# KiCad board trifecta.kicad_pcb (continued)
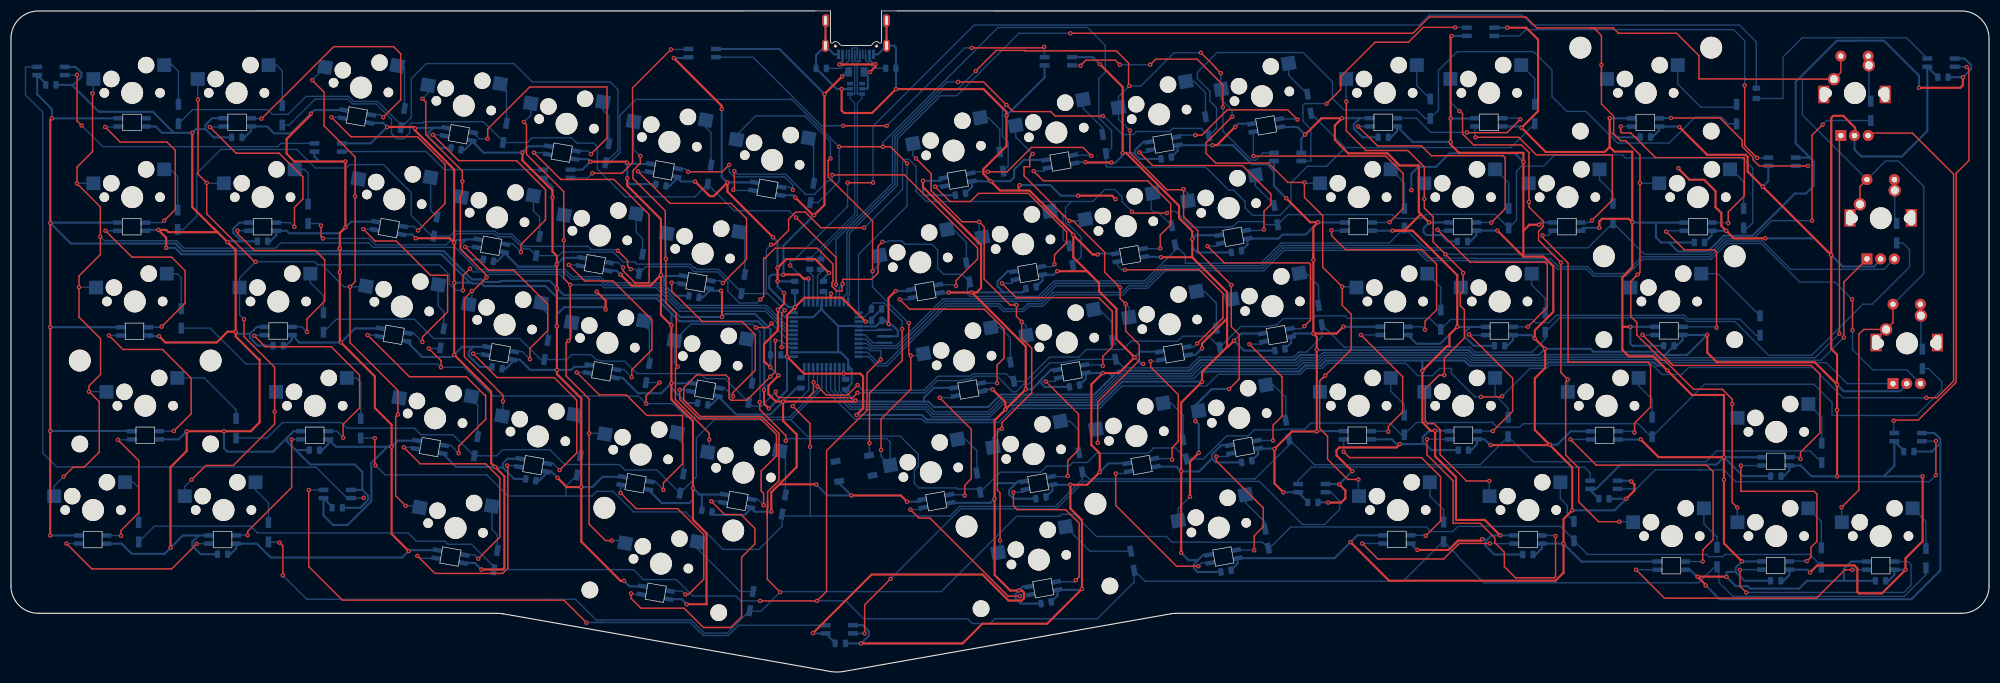
[diagram p0: board, top side]
## Nets (continued)
Net-(D_11-Pad2): D_11.2 K_11.2
Net-(D_12-Pad2): D_12.2 K_12.2
Net-(D_13-Pad2): D_13.2 K_13.2
Net-(D_15-Pad2): D_15.2 K_15.2
Net-(D_17-Pad2): D_17.2 K_17.2
Net-(D_18-Pad2): D_18.2 K_18.2
Net-(D_19-Pad2): D_19.2 K_19.2
Net-(D_20-Pad2): D_20.2 K_20.2
Net-(D_21-Pad2): D_21.2 K_21.2
Net-(D_22-Pad2): D_22.2 K_22.2
Net-(D_23-Pad2): D_23.2 K_23.2
Net-(D_24-Pad2): D_24.2 K_24.2
Net-(D_25-Pad2): D_25.2 K_25.2
Net-(D_26-Pad2): D_26.2 K_26.2
Net-(D_27-Pad2): D_27.2 K_27.2
Net-(D_28-Pad2): D_28.2 K_28.2
Net-(D_29-Pad2): D_29.2 K_29.2
Net-(D_30-Pad2): D_30.2 K_30.2
Net-(D_33-Pad2): D_33.2 K_33.2
Net-(D_34-Pad2): D_34.2 K_34.2
Net-(D_35-Pad2): D_35.2 K_35.2
Net-(D_36-Pad2): D_36.2 K_36.2
Net-(D_37-Pad2): D_37.2 K_37.2
Net-(D_38-Pad2): D_38.2 K_38.2
Net-(D_39-Pad2): D_39.2 K_39.2
Net-(D_40-Pad2): D_40.2 K_40.2
Net-(D_41-Pad2): D_41.2 K_41.2
Net-(D_42-Pad2): D_42.2 K_42.2
Net-(D_43-Pad2): D_43.2 K_43.2
Net-(D_44-Pad2): D_44.2 K_44.2
Net-(D_45-Pad2): D_45.2 K_45.2
Net-(D_47-Pad2): D_47.2 K_47.2
Net-(D_48-Pad2): D_48.2 K_48.2
Net-(D_49-Pad2): D_49.2 K_49.2
Net-(D_50-Pad2): D_50.2 K_50.2
Net-(D_51-Pad2): D_51.2 K_51.2
Net-(D_52-Pad2): D_52.2 K_52.2
Net-(D_53-Pad2): D_53.2 K_53.2
Net-(D_54-Pad2): D_54.2 K_54.2
Net-(D_55-Pad2): D_55.2 K_55.2
Net-(D_56-Pad2): D_56.2 K_56.2
Net-(D_57-Pad2): D_57.2 K_57.2
Net-(D_58-Pad2): D_58.2 K_58.2
Net-(D_59-Pad2): D_59.2 K_59.2
Net-(D_60-Pad2): D_60.2 K_60.2
Net-(D_62-Pad2): D_62.2 K_62.2
Net-(D_63-Pad2): D_63.2 K_63.2
Net-(D_64-Pad2): D_64.2 K_64.2
Net-(D_65-Pad2): D_65.2 K_65.2
Net-(D_66-Pad2): D_66.2 K_66.2
Net-(D_67-Pad2): D_67.2 K_67.2
Net-(D_68-Pad2): D_68.2 K_68.2
Net-(D_69-Pad2): D_69.2 K_69.2
Net-(D_70-Pad2): D_70.2 K_70.2
Net-(D_71-Pad2): D_71.2 K_71.2
Net-(D_72-Pad2): D_72.2 K_72.2
Net-(J1-PadA5): J1.A5 R2.2
Net-(J1-PadA8): J1.A8
Net-(J1-PadB5): J1.B5 R3.2
Net-(J1-PadB8): J1.B8
Net-(LED1-Pad2): LED1.2
Net-(LED1-Pad4): LED1.4 LED17.2
Net-(LED2-Pad4): LED2.4 LED3.2
Net-(LED4-Pad4): LED4.4 LED5.2
Net-(LED6-Pad4): LED6.4 LED7.2
Net-(LED8-Pad4): LED8.4 LED9.2
Net-(LED10-Pad2): LED10.2 LED26.4
Net-(LED10-Pad4): LED10.4 LED11.2
Net-(LED11-Pad4): LED11.4 LED27.2
Net-(LED12-Pad2): LED12.2 LED28.4
Net-(LED12-Pad4): LED12.4 LED13.2
Net-(LED13-Pad4): LED13.4 LED29.2
Net-(LED15-Pad2): LED15.2 LED30.4
Net-(LED15-Pad4): LED15.4 ULED14.2
Net-(LED17-Pad4): LED17.4 LED33.2
Net-(LED18-Pad2): LED18.2 LED34.4
Net-(LED18-Pad4): LED2.2 LED18.4
Net-(LED19-Pad2): LED3.4 LED19.2
Net-(LED19-Pad4): LED19.4 LED35.2
Net-(LED20-Pad2): LED20.2 LED36.4
Net-(LED20-Pad4): LED4.2 LED20.4
Net-(LED21-Pad2): LED5.4 LED21.2
Net-(LED21-Pad4): LED21.4 LED37.2
Net-(LED22-Pad2): LED22.2 LED38.4
Net-(LED22-Pad4): LED6.2 LED22.4
Net-(LED23-Pad2): LED7.4 LED23.2
Net-(LED23-Pad4): LED23.4 LED39.2
Net-(LED24-Pad2): LED24.2 LED40.4
Net-(LED24-Pad4): LED8.2 LED24.4
Net-(LED25-Pad2): LED9.4 LED25.2
Net-(LED25-Pad4): LED25.4 LED41.2
Net-(LED26-Pad2): LED26.2 LED42.4
Net-(LED27-Pad4): LED27.4 LED43.2
Net-(LED28-Pad2): LED28.2 LED44.4
Net-(LED29-Pad4): LED29.4 LED59.2
Net-(LED30-Pad2): LED30.2 LED45.4
Net-(LED33-Pad4): LED33.4 LED47.2
Net-(LED34-Pad2): LED34.2 LED48.4
Net-(LED35-Pad4): LED35.4 LED49.2
Net-(LED36-Pad2): LED36.2 LED50.4
Net-(LED37-Pad4): LED37.4 LED51.2
Net-(LED38-Pad2): LED38.2 LED52.4
Net-(LED39-Pad4): LED39.4 LED53.2
Net-(LED40-Pad2): LED40.2 LED54.4
Net-(LED41-Pad4): LED41.4 LED55.2
Net-(LED42-Pad2): LED42.2 LED56.4
Net-(LED43-Pad4): LED43.4 LED57.2
Net-(LED44-Pad2): LED44.2 LED58.4
Net-(LED45-Pad2): LED45.2 LED60.4
Net-(LED47-Pad4): LED47.4 LED62.2
Net-(LED48-Pad2): LED48.2 LED63.4
Net-(LED49-Pad4): LED49.4 LED64.2
Net-(LED50-Pad2): LED50.2 LED64.4
Net-(LED51-Pad4): LED51.4 LED65.2
Net-(LED52-Pad2): LED52.2 LED65.4
Net-(LED53-Pad4): LED53.4 LED66.2
Net-(LED54-Pad2): LED54.2 LED66.4
Net-(LED55-Pad4): LED55.4 LED67.2
Net-(LED56-Pad2): LED56.2 LED67.4
Net-(LED57-Pad4): LED57.4 LED68.2
Net-(LED58-Pad2): LED58.2 LED69.4
Net-(LED59-Pad4): LED59.4 LED70.2
Net-(LED60-Pad2): LED60.2 LED71.4
Net-(LED62-Pad4): LED62.4 LED63.2
Net-(LED68-Pad4): LED68.4 LED69.2
Net-(LED70-Pad4): LED70.4 LED72.2
Net-(LED71-Pad2): LED71.2 LED72.4
Net-(R1-Pad2): R1.2 SW1.2 U1.13
Net-(R4-Pad1): R4.1 U1.4
Net-(R5-Pad1): R5.1 U1.3
Net-(R6-Pad2): R6.2 U1.33
Net-(R7-Pad1): R7.1 ULED1.4
Net-(U1-Pad16): U1.16 Y1.3
Net-(U1-Pad17): U1.17 Y1.1
Net-(U1-Pad42): U1.42
Net-(U2-Pad3): U2.3
Net-(U2-Pad4): U2.4
Net-(ULED1-Pad2): ULED1.2 ULED2.4
Net-(ULED2-Pad2): ULED2.2 ULED3.4
Net-(ULED3-Pad2): ULED3.2 ULED4.4
Net-(ULED4-Pad2): ULED4.2 ULED5.4
Net-(ULED5-Pad2): ULED5.2 ULED6.4
Net-(ULED6-Pad2): ULED6.2 ULED7.4
Net-(ULED7-Pad2): ULED7.2 ULED8.4
Net-(ULED8-Pad2): ULED8.2 ULED9.4
Net-(ULED10-Pad2): ULED10.2 ULED11.4
Net-(ULED10-Pad4): ULED9.2 ULED10.4
Net-(ULED11-Pad2): ULED11.2 ULED12.4
Net-(ULED12-Pad2): ULED12.2 ULED13.4
Net-(ULED13-Pad2): ULED13.2 ULED14.4

Pads without a net: SW1 3 4

## Via types
v1: diameter 0.8, hole 0.4, Top to Bottom, 500 vias

## Routing (per net, layer and track width the routed paths; a pad name or vN(x,y) marks a point on that pad's centre or on a via; arc(x,y) is an arc through that point)
+5V: length 2371.1
  Top w0.381: v1(111.26,72.59) 113.27,70.57 116.67,70.57 v1(118.62,72.52) ; 112.46,92.97 112.21,93.23 v1(105.73,93.23) ; v1(118.62,72.52) 118.62,82.71 112.46,88.87 v1(112.46,90.19) ; v1(118.62,72.52) 118.56,72.59 ; v1(118.62,72.52) 118.62,65.24 v1(120.53,63.33) v1(120.53,52.78) 120.53,49.79 124.46,45.85 v1(124.46,33.6) 124.46,27.82 126.94,25.34 126.94,12.45 127,12.39 v1(123.32,12.39) ; v1(41.01,62.17) 39.53,62.17 37.57,60.21 28.17,60.21 v1(27.04,61.34) ; v1(41.01,62.17) 41.01,77.06 v1(39.51,78.56) 37.71,80.36 ; v1(41.01,62.17) 41.01,61.31 45.23,57.09 45.38,57.09 45.38,45.61 43.76,43.99 v1(38.88,43.99) v1(32.07,43.99) 32.07,40.38 29.12,37.43 v1(29.12,22.7) ; 37.71,80.36 37.05,81.02 36.99,81.02 33.09,84.92 v1(33.09,98.5) ; 37.71,80.36 28.72,80.36 28.31,80.77 v1(26.89,80.77) 28.32,79.33 v1(28.32,77.48) ; v1(295.88,82.16) 295.23,82.8 290.37,82.8 289.87,82.31 v1(289.87,81.14) ; v1(295.88,82.16) 295.88,73.9 294.07,72.1 294.07,63.06 ; v1(295.88,82.16) 295.88,95.06 292.63,95.06 291.76,95.94 ; v1(151.69,108.8) v1(148.47,105.58) 148.47,85.35 147.32,84.2 147.29,84.2 v1(146.57,83.48) 146.34,83.48 v1(143.13,86.69) ; v1(240.39,30.95) 242.75,30.95 243.53,31.73 243.53,33.17 v1(242.43,34.26) ; v1(171.11,69.33) 175.31,69.33 v1(175.33,69.35) ; v1(312.61,39.25) v1(312.61,35.12) 312.61,23.5 v1(315.91,20.21) ; v1(312.61,39.25) 300.69,39.25 v1(297.43,42.51) ; v1(312.61,39.25) 312.61,50.62 306.77,50.62 v1(302.32,55.07) 299.72,57.67 295.28,57.67 294.07,58.87 294.07,63.06 ; v1(175.33,69.35) 176.22,69.35 177.04,70.18 177.04,77.99 166.44,88.59 v1(166.44,89.73) ; v1(175.33,69.35) 175.35,69.35 185.19,59.5 v1(185.19,51.66) v1(181.49,47.95) ; v1(80.88,78.43) 80.06,79.24 v1(73.88,79.24) ; v1(200.82,93.08) 196.16,93.08 v1(196.1,93.14) ; v1(140.98,72.59) 141,72.6 143.9,72.6 144.63,71.88 v1(145.54,71.88) ; 221.94,64.59 217.36,60.02 v1(217.36,59.13) ; 221.94,64.59 221.94,69.41 215.87,75.48 ; 221.94,64.59 221.94,59.38 ; 294.07,63.06 v1(295.53,63.06) ; 80.89,91.74 v1(80.89,71.12) v1(80.89,57.96) 87.63,51.21 87.63,38.17 v1(88.34,37.47) 90.05,35.76 90.05,19.06 89.73,18.74 v1(85.86,18.74) ; 80.89,91.74 80.79,91.74 ; 80.89,91.74 80.89,91.79 73.73,98.95 v1(73.73,99.31) 73.47,99.56 v1(68.65,99.56) ; 257.3,83.64 254.29,80.63 v1(252.13,80.63) 255.8,80.63 263.95,72.48 v1(263.95,63.05) 262.52,61.62 262.52,59.54 262.08,59.54 v1(257.58,55.04) 257.58,45.63 258.29,44.93 258.29,44.9 259.13,44.07 v1(259.9,44.07) 259.9,39.41 263.71,35.61 263.71,27.89 263.82,27.79 268.97,27.79 v1(271.79,24.96) ; 257.3,83.64 256.94,84.01 256.94,92.53 253.43,92.53 251.2,94.76 244.05,94.76 241.59,97.21 241.59,99.84 v1(242.92,101.17) 239.17,101.17 v1(236.16,98.16) ; 257.3,83.64 v1(258.82,82.12) ; v1(213.55,21.79) v1(213.55,36.65) 213.55,49.22 v1(217.36,53.03) 217.36,54.81 221.94,59.38 ; 215.87,75.48 215.59,75.76 v1(215.59,79.07) 215.59,80.53 213.17,82.94 213.17,85.16 203.52,94.81 v1(202.89,94.81) 202.89,106.86 v1(198.69,111.05) ; 215.87,75.48 215.58,75.77 v1(209.89,75.77) ; 149.6,68.38 149.6,69.05 v1(149.67,69.12) ; 149.6,68.38 144.81,68.38 v1(143.09,66.66) 141.64,65.22 141.64,58.19 141.63,58.18 v1(141.63,57.62) 144.74,54.51 v1(151.99,54.51) 154.98,54.51 155.51,53.99 155.51,48.16 v1(154.31,46.97) ; 149.6,68.38 151.62,68.38 v1(155.98,64.02) ; v1(137.43,51.55) 137.43,49.01 v1(138.31,48.14) ; v1(181.49,47.95) 179.52,45.98 v1(179.52,31.63) 179.52,17.72 182.36,14.88 v1(183.95,14.88) 184.52,14.88 184.88,14.52 184.88,13.47 184.47,13.06 182.06,13.06 177.31,17.81 157.06,17.81 v1(146.36,7.11) ; v1(181.49,47.95) 181.49,49.28 v1(179.13,51.64) ; v1(348.21,106.72) 355.76,106.72 356.22,107.18 v1(356.22,108.65) ; 291.76,95.94 290.83,95 280.09,95 v1(275.66,99.43) 278.69,102.45 278.69,115.54 276.52,117.7 v1(273.08,117.7) ; 291.76,95.94 v1(291.76,101.18) ; 221.94,59.38 222.06,59.38 v1(223.21,60.52) ; v1(244.79,36.7) 241.92,39.57 241.92,40.53 242.43,41.04 252.88,41.04 v1(253.48,41.64) ; v1(309.28,15.83) 309.28,15.94 v1(307.79,17.43) 313.03,17.43 v1(313.08,17.38) ; v1(256.69,22.3) 262.38,22.3 264.08,24 268.2,24 v1(268.47,24.27)
  Bottom w0.25: 72.87,60.73 72.85,60.7
  Bottom w0.381: LED11.1 234.77,99.55 v1(236.16,98.16) 235.48,97.48 ULED12.1 ; 50.43,42.84 47.84,40.25 39.48,40.25 38.88,40.85 v1(38.88,43.99) ; 50.43,42.84 51.59,44 LED48.1 ; 50.43,42.84 50.43,42.08 51.82,40.7 ; 51.82,40.7 54.59,37.93 62.74,37.93 64.12,36.55 64.12,33.28 ; 51.82,40.7 51.97,40.54 C48.1 ; v1(275.66,99.43) 275.42,99.67 LED13.1 ; v1(179.13,51.64) 177.65,51.64 LED39.1 ; 169.56,69.35 LED23.1 171.05,69.27 v1(171.11,69.33) ; v1(149.67,69.12) 149.67,67.6 U1.7 ; 64.12,33.28 ULED6.1 ; 64.12,33.28 65.18,32.21 65.18,31.45 63.75,30.01 C78.1 ; 149.59,67.32 149.59,68.37 149.6,68.38 ; LED15.1 291.8,101.15 v1(291.76,101.18) 291.76,98.81 292.89,97.69 297.18,97.69 ; 77.08,99.42 LED4.1 ; 77.08,99.42 73.83,99.42 v1(73.73,99.31) ; 77.08,99.42 76.19,98.52 76.19,97.76 78.21,95.74 C4.1 ; LED19.1 73.2,79.92 v1(73.88,79.24) ; 11.13,107.25 16.03,102.35 25.88,102.35 29.74,98.5 ; 11.13,107.25 C79.1 ; 11.13,107.25 11.39,107.25 12.85,108.72 12.85,109.48 11.79,110.54 ULED7.1 ; 328.77,93.52 328.31,93.98 ULED14.1 ; 328.77,93.52 325.71,96.58 325.71,107.82 333.22,115.32 336.82,115.32 336.83,115.34 341.82,115.34 348.21,108.95 v1(348.21,106.72) ; 328.77,93.52 329.01,93.28 329.01,88.85 327.57,87.4 325.55,87.4 317.85,79.7 312.58,79.7 309.71,76.83 304.21,76.83 302.57,78.46 302.57,78.47 ; LED56.1 220.85,41.44 219.18,39.76 219.18,39 ; 198.45,48.69 199.02,49.26 ; 199.02,49.26 198.5,48.74 182.28,48.74 v1(181.49,47.95) 179.64,46.1 167.09,46.1 166.23,46.96 156.32,46.96 ; 199.02,49.26 202.81,53.05 217.35,53.05 v1(217.36,53.03) 217.36,54.38 217.89,54.9 235.08,54.9 236.17,55.99 239.05,55.99 239.97,56.91 257.31,56.91 ; 43.63,61.79 41.39,61.79 v1(41.01,62.17) ; 43.63,61.79 43.63,61.03 45.02,59.63 C34.1 ; 43.63,61.79 44.88,63.05 LED34.1 ; 183.44,34.5 183.76,34.82 LED54.1 ; 183.44,34.5 182.16,33.22 182.16,32.46 182.95,31.67 C54.1 ; 183.44,34.5 180.04,34.5 179.52,33.98 v1(179.52,31.63) 178.8,30.91 LED53.1 ; 300.2,82.1 295.94,82.1 v1(295.88,82.16) ; 300.2,82.1 LED30.1 ; 300.2,82.1 300.2,79.41 301.15,78.47 302.57,78.47 ; LED65.1 122.4,13.31 v1(123.32,12.39) ; 42.13,78.68 40.58,80.24 40.58,80.99 41.68,82.1 LED18.1 ; 42.13,78.68 39.64,78.68 v1(39.51,78.56) ; 42.13,78.68 C18.1 ; 312.55,35.06 v1(312.61,35.12) ; 260.53,44.07 262.5,44.07 LED58.1 ; 260.53,44.07 258.81,44.07 257.64,42.89 257.64,42.14 258.14,41.64 ; 260.53,44.07 v1(259.9,44.07) ; C38.1 123.32,49.13 120.53,51.92 v1(120.53,52.78) ; LED51.1 118.76,30.87 123.83,30.87 124.46,31.5 v1(124.46,33.6) 125.64,32.42 126.14,32.42 ; v1(271.79,24.96) 270.18,24.96 269.27,24.05 ; v1(271.79,24.96) LED69.1 ; v1(271.79,24.96) 271.47,24.96 ; C45.1 295.95,59.6 295.53,60.02 v1(295.53,63.06) 295.54,63.07 LED45.1 ; 29.74,98.5 27.55,98.5 26.39,99.65 LED1.1 ; 29.74,98.5 v1(33.09,98.5) 33.77,99.18 35.5,99.18 ; 143.09,57.62 v1(141.63,57.62) ; v1(141.63,57.62) 141.63,51.47 v1(138.31,48.14) ; v1(141.63,57.62) 140.8,57.62 C13.1 ; C20.1 84.01,75.35 82.08,77.29 82.08,78.05 82.97,78.94 ; R1.1 157.04,64.47 C11.1 156.83,64.02 v1(155.98,64.02) 154.49,64.02 ; v1(148.47,105.58) 140.22,113.82 ULED10.1 ; 266.31,63.05 v1(263.95,63.05) 260.87,59.98 256.51,59.98 LED43.1 ; 266.31,63.05 LED44.1 ; 266.31,63.05 265.3,62.04 265.3,61.28 266.99,59.59 C44.1 ; 35.5,99.18 35.5,99.94 36.72,101.16 LED2.1 ; 35.5,99.18 37.01,97.67 C2.1 ; LED50.1 90.62,38.96 89.76,38.11 89.76,37.35 ; 82.97,78.94 81.38,78.94 v1(80.88,78.43) ; 82.97,78.94 83.06,79.03 LED20.1 ; v1(27.04,61.34) 25.19,61.34 LED33.1 25.38,61.16 ; LED49.1 81.24,37.47 v1(88.34,37.47) 88.46,37.35 89.76,37.35 ; v1(309.28,15.83) 311.81,13.3 346.82,13.3 352.1,18.59 352.1,41.81 ; v1(120.53,52.78) 120.56,52.74 LED38.1 ; v1(120.53,52.78) 118.69,50.93 114.43,50.93 111.6,53.76 LED37.1 ; C58.1 259.23,40.55 258.14,41.64 ; 219.18,39 216.83,36.65 v1(213.55,36.65) 212.68,37.52 LED55.1 ; 219.18,39 219.89,38.29 C56.1 ; C66.1 184.27,12.5 183.3,13.47 183.3,14.23 v1(183.95,14.88) 184.7,15.63 LED66.1 ; 352.1,41.81 352.1,42.57 351.01,43.67 ULED2.1 ; 352.1,41.81 350.56,40.27 C74.1 ; C36.1 85.6,55.73 83.54,57.79 83.54,58.55 84.4,59.41 ; 205.14,94.91 205.05,94.81 v1(202.89,94.81) 202.89,94.39 201.45,92.95 200.95,92.95 v1(200.82,93.08) ; 205.14,94.91 205.14,95.32 206.68,96.86 LED10.1 ; 205.14,94.91 205.14,94.56 205.97,93.74 C10.1 ; C12.1 246.67,97.69 ; 246.67,97.69 246.64,97.67 ; 246.67,97.69 245.07,99.29 245.07,100.05 246.19,101.17 ; 137.48,51.55 137.48,62.91 136.31,64.08 121.99,64.08 120.55,65.51 ; 155.53,46.96 156.32,46.96 ; 156.32,46.96 154.31,46.96 v1(154.31,46.97) ; C30.1 302.57,78.47 ; 216.63,20.43 214.91,20.43 v1(213.55,21.79) ; 216.63,20.43 217.61,21.41 LED67.1 ; 216.63,20.43 215.91,19.71 215.91,18.95 216.58,18.28 C67.1 ; v1(146.57,83.48) 140.98,77.89 v1(140.98,72.59) 138.81,72.59 138.37,72.14 138.37,70.18 141.88,66.66 v1(143.09,66.66) ; 257.31,56.91 257.58,56.63 v1(257.58,55.04) 257.57,55.05 257.57,55.99 ; 257.31,56.91 265.24,56.91 266.15,55.99 279.95,55.99 280.53,56.57 299.85,56.57 300.42,55.99 301.4,55.99 v1(302.32,55.07) ; v1(85.86,18.74) 84.68,19.92 LED64.1 ; v1(198.69,111.05) 197.43,112.32 ULED11.1 ; 269.27,24.05 269.04,24.27 v1(268.47,24.27) ; 269.27,24.05 269.09,23.87 269.09,23.11 270.73,21.47 C69.1 ; 94.59,70.5 97.58,70.5 99.82,68.26 117.81,68.26 120.55,65.51 ; 94.59,70.5 95.81,70.5 ; 94.59,70.5 86.37,70.5 85.91,70.96 84.28,70.96 84.12,71.12 83.77,71.12 ; v1(217.36,59.13) 216.14,57.9 LED41.1 ; LED40.1 189.82,55.23 188.43,53.84 ; C50.1 91.83,35.29 89.76,37.35 ; 188.43,53.84 187.68,53.09 187.68,52.99 186.35,51.66 v1(185.19,51.66) ; 188.43,53.84 188.06,53.47 188.06,52.71 188.69,52.09 C40.1 ; C6.1 112.93,89.13 112.46,89.61 v1(112.46,90.19) 112.46,92.97 v1(112.4,93.03) 112.62,92.81 LED6.1 116.64,92.97 ; LED57.1 252,42.51 252.87,41.64 v1(253.48,41.64) 258.14,41.64 ; v1(256.69,22.3) 256.64,22.26 256.64,22.26 LED68.1 ; C63.1 34.61,21.53 33.11,23.03 33.11,23.79 34.27,24.95 ; ULED13.1 270.7,117.7 v1(273.08,117.7) ; LED26.1 216.32,79.8 v1(215.59,79.07) 215.59,77.54 ; LED60.1 312.63,39.23 v1(312.61,39.25) ; LED9.1 194.31,93.14 v1(196.1,93.14) ; 215.59,77.54 216.48,76.65 C26.1 ; 215.59,77.54 215.59,77.48 ; v1(307.79,17.43) 307.74,17.38 307.74,17.38 306.43,18.68 LED70.1 ; v1(111.26,72.59) 110.52,73.32 LED21.1 ; C60.1 316.08,35.79 v1(312.61,39.25) ; ULED9.1 104.28,91.77 v1(105.73,93.23) 105.25,93.7 LED5.1 ; LED35.1 75.06,57.55 80.48,57.55 v1(80.89,57.96) 82.34,59.41 84.4,59.41 ; LED8.1 169.67,89.73 v1(166.44,89.73) 166.44,87.32 166.64,87.11 C8.1 ; v1(32.07,43.99) 30.58,42.5 LED47.1 ; LED29.1 286.98,81.14 v1(289.87,81.14) ; v1(26.89,80.77) 24.7,80.77 LED17.1 ; 143.09,65.62 v1(143.09,66.66) ; v1(143.09,66.66) 143.09,69.45 C16.1 ; C42.1 225.01,58.72 v1(223.21,60.52) 224.53,61.85 LED42.1 ; 314.75,18.29 314.75,19.05 v1(315.91,20.21) LED71.1 ; 314.75,18.29 313.19,18.29 313.08,18.19 v1(313.08,17.38) 314.77,15.69 316.93,15.69 317.38,15.25 326.33,15.25 327.74,16.66 334.58,16.66 ; 314.75,18.29 316.37,16.68 C71.1 ; 34.27,24.95 LED63.1 ; 34.27,24.95 31.37,24.95 v1(29.12,22.7) 28.01,21.59 22.06,21.59 20.2,23.45 LED62.1 ; v1(209.89,75.77) 209.81,75.85 LED25.1 ; C28.1 262.23,78.64 261.05,79.82 258.32,79.82 257.8,80.34 257.8,81.1 v1(258.82,82.12) LED28.1 ; v1(297.43,42.51) 297.4,42.48 LED59.1 ; C22.1 121.19,68.75 119.19,70.75 119.19,71.95 v1(118.62,72.52) 118.78,72.36 LED22.1 ; C77.1 150.42,5.32 ULED5.1 146.41,7.06 v1(146.36,7.11) ; 181.17,69.35 180.06,70.46 180.06,71.38 181.87,73.19 LED24.1 ; 181.17,69.35 184.55,69.35 C24.1 ; 181.17,69.35 v1(175.33,69.35) ; LED27.1 252.12,80.62 v1(252.13,80.63) ; C75.1 288.21,33.21 ULED3.1 289.28,33.45 293.73,37.9 311.27,37.9 v1(312.61,39.25) ; 145.59,67.32 145.59,71.83 v1(145.54,71.88) ; ULED1.1 356.53,112.07 357.71,110.89 357.71,110.13 v1(356.22,108.65) C73.1 ; v1(80.89,71.12) 80.89,71.12 83.77,71.12 ; 120.55,65.51 120.55,63.36 v1(120.53,63.33) ; 290.13,31.68 290.08,31.68 ; 246.19,101.17 v1(242.92,101.17) ; 246.19,101.17 LED12.1 ; LED72.1 335.87,20.19 334.5,18.81 334.5,16.74 334.58,16.66 ; C76.1 240.34,31 v1(240.39,30.95) ; 334.58,16.66 C72.1 ; 84.4,59.41 LED36.1 ; LED3.1 67.9,100.31 v1(68.65,99.56) 65.66,96.57 ULED8.1 ; F1.1 152.53,109.64 v1(151.69,108.8) ; C9.1 151.99,53.84 v1(151.99,54.51) 151.99,55.92 ; v1(143.13,86.69) 142.72,87.1 LED7.1 ; 126.14,32.42 126.08,32.36 C52.1 ; 126.14,32.42 LED52.1 ; ULED4.1 242.35,34.34 v1(242.43,34.26) 242.43,34.35 v1(244.79,36.7) ; 83.77,71.12 78.56,76.33 31.13,76.33 29.98,77.48 v1(28.32,77.48)
GND: length 2406.7
  Top w0.381: v1(304.3,92.04) 304.3,91.95 306.32,89.94 308.99,89.94 311.08,87.84 311.08,84.92 312.14,83.86 312.14,81.5 v1(313.05,80.59) 314.41,79.23 v1(320.18,79.23) ; v1(333.25,35.76) v1(333.25,47.89) v1(333.25,52.52) ; v1(219.28,96.25) 220.07,96.25 v1(223.41,99.59) ; v1(309.57,61.6) 309.57,58.36 311.34,56.59 329.19,56.59 v1(333.25,52.52) ; J1.S1 J1.S1 ; v1(140.08,54.17) 138.22,52.32 138.22,50.8 139.62,49.41 v1(140.91,49.41) ; v1(190.95,73.22) 196.41,73.22 196.79,72.84 ; v1(237.68,61.85) 241.93,61.85 v1(243.16,63.08) ; v1(237.68,61.85) v1(237.68,75.25) 237.68,75.95 ; v1(237.68,61.85) 238.31,61.21 v1(238.31,58.88) v1(238.31,43.95) 233.77,43.95 v1(230.59,40.77) 230.59,34.44 v1(232.19,32.84) ; 60.01,77.37 v1(60.01,73.05) 60.01,60.4 v1(60.21,60.19) 66.4,54 66.4,48.25 69.47,45.18 v1(69.47,41.16) 69.47,25.22 v1(72.58,22.11) ; 60.01,77.37 60.01,77.4 v1(59.99,77.42) ; 60.01,77.37 60.01,80.21 v1(61.03,81.22) v1(61.03,93.26) 51.72,93.26 50.31,94.68 50.31,97.37 54.73,101.79 v1(54.73,102) ; 276.01,75.89 279.7,75.89 281.47,74.12 281.47,65.8 278.1,62.43 v1(278.1,60.93) v1(279.98,59.04) 279.98,55.54 278.1,53.66 278.1,44.22 279.97,42.35 ; 276.01,75.89 v1(271.25,80.65) ; 276.01,75.89 276.01,80.6 ; v1(244.47,23.73) 251.51,16.69 281.88,16.69 283.34,18.15 v1(283.34,23.44) 283.34,27.95 v1(284.93,29.54) 284.93,37.39 279.97,42.35 ; v1(129.56,69.64) 129.76,69.44 v1(129.76,64.87) ; 183.89,87.96 183.89,88.76 v1(184.09,88.96) ; 183.89,87.96 180.51,87.96 v1(178.81,89.66) 177.46,91 177.46,91.86 181.68,96.08 v1(181.68,101.66) 181.68,102.31 177.5,106.49 v1(161.52,106.49) 157.15,102.12 152.04,102.12 151.59,102.57 v1(151.59,106.5) ; 183.89,87.96 185.87,87.96 193.87,79.95 v1(193.87,79.83) ; 196.79,72.84 193.87,75.76 v1(193.87,79.83) ; 196.79,72.84 198.57,71.06 198.57,69.54 201.74,66.37 201.74,60.81 v1(205.06,57.49) 202.19,54.62 v1(199.26,54.62) 197.17,52.53 197.17,41.47 198.7,39.95 v1(198.7,36.52) 196.39,34.21 v1(193.34,34.21) 193.34,29.88 195.46,27.76 v1(195.46,15.18) 189.11,8.83 177.28,8.83 173.68,5.23 v1(155.13,5.23) ; 279.97,42.35 279.76,42.55 ; v1(232.73,86.56) 237.12,82.17 v1(238.55,82.17) 237.68,81.29 237.68,75.95 ; v1(194.76,87.02) 200.95,87.02 v1(201.59,86.39) 201.5,86.3 ; v1(270.04,41.46) 280.73,41.46 v1(280.81,41.54) ; v1(104.08,33.79) 104.08,23.82 111.26,16.64 v1(111.89,16.64) ; v1(104.08,33.79) 104.08,49.98 99.64,54.43 v1(99.64,55.19) v1(99.64,63.17) 99.64,67.26 ; v1(104.08,33.79) 101.43,33.79 v1(99.74,35.48) ; 140.21,34.3 146.93,34.3 v1(146.96,34.27) ; 140.21,34.3 138.75,32.84 v1(138.75,29.28) ; 140.21,34.3 143.39,37.48 143.39,43.4 140.91,45.89 v1(140.91,49.41) ; v1(120.99,112.15) 129.71,103.43 v1(129.71,102.84) ; v1(328.33,18.19) 329.62,19.48 336.42,19.48 336.96,18.95 336.96,14.64 337.22,14.38 341.45,14.38 v1(345.75,18.68) 345.75,20.77 348.87,23.89 v1(348.87,35.76) ; v1(93.35,94.94) 93.35,93.45 98.83,87.98 v1(98.83,86.69) 98.83,76.81 99.64,76 v1(99.64,74.49) v1(99.64,70.14) 99.64,67.26 ; 99.64,67.26 99.64,67.7 ; v1(153.36,32.27) 162.37,32.27 v1(163.52,31.12) ; v1(140.91,49.41) 153.91,49.41 v1(154.12,49.62) ; v1(7.48,101.14) 7.18,100.83 v1(7.18,82.04) v1(7.18,62.99) v1(7.18,44.04) 7.17,44.03 v1(7.17,24.95) ; 237.68,75.95 237.68,76.34 ; 276.01,80.6 v1(276.01,93.19) 276.01,94.84 264.27,94.84 262.73,96.38 v1(262.73,96.84) v1(262.73,101.11) 262.73,116.04 v1(262.9,116.2) ; 276.01,80.6 277.12,81.71 v1(278.87,81.71) ; J1.S1 J1.S1 ; v1(149.29,72.9) 146.76,75.43 141.49,75.43 v1(139.89,73.83) v1(139.89,71.38) ; v1(333.25,52.52) 333.25,57.98 332.2,59.04 v1(332.2,76.17) ; v1(108.53,66.23) 108.53,67.86 v1(106.9,69.48) ; v1(139.08,79.43) 130.75,87.75 v1(130.75,89.42) 128.27,86.94 127.51,86.94 v1(124.84,89.61) ; v1(160.16,63.58) 160.16,68.34 161.42,69.6 v1(161.48,69.6) ; v1(193.87,79.83) 197.43,76.27 v1(198.31,76.27) ; 336.56,98.01 336.56,99.42 334.39,101.6 332.57,101.6 332.2,101.23 v1(332.2,76.17) ; v1(304.48,99.55) 309.54,94.49 316.56,94.49 316.94,94.1 316.94,91.42 v1(319.7,88.66) v1(332.2,76.17) ; v1(294.78,31.65) 296.27,33.14 296.27,34.26 v1(295.72,34.81) ; v1(138.59,55.65) 137.59,56.65 137.42,56.65 137.42,59.89 139.96,62.43 v1(139.96,66.17) 141.1,67.32 v1(141.1,69.22)
  Bottom w0.25: 233.83,61.27 234.42,61.86
  Bottom w0.381: 201.03,54 197.71,50.68 180.61,50.68 178.35,48.43 168.41,48.43 167.43,49.41 166.63,49.41 ; 201.03,54 200.4,54.62 v1(199.26,54.62) LED40.3 196.16,53.55 C40.2 ; 201.03,54 202.08,55.05 215.05,55.05 217.02,57.02 234.3,57.02 234.49,57.21 234.54,57.21 235.25,57.92 238.25,57.92 238.25,58.82 v1(238.31,58.88) 238.36,58.84 266.04,58.84 266.95,57.92 278.12,57.92 ; LED17.3 7.24,82.1 v1(7.18,82.04) 10.95,78.27 30.01,78.27 31.37,76.91 59.47,76.91 v1(59.99,77.42) 60.51,76.91 78.93,76.91 84.14,71.7 85.99,71.7 86.43,71.26 89.27,71.26 89.47,71.47 98.31,71.47 v1(99.64,70.14) 100.93,68.84 106.96,68.84 ; v1(193.34,34.21) LED54.3 190.06,33.18 C54.2 ; C71.2 323.49,16.68 324.55,17.74 LED71.3 327.82,18.71 v1(328.33,18.19) ; C18.2 47.32,78.68 48.41,79.77 LED18.3 50.32,80.6 50.78,80.15 59.95,80.15 v1(61.03,81.22) ; SW3.C 341.21,75.27 340.03,74.08 334.29,74.08 v1(332.2,76.17) 329.14,79.23 v1(320.18,79.23) ; v1(198.31,76.27) 198.5,76.46 LED25.3 ; 166.63,49.41 154.12,49.41 152.34,51.19 C9.2 153.43,52.7 153.43,55.27 152.79,55.92 152.79,57.05 151.42,58.42 151.08,58.42 ; 166.63,49.41 166.63,50.11 168.44,51.92 LED39.3 ; LED15.3 301.77,99.65 ; LED15.3 300.77,98.92 299.54,97.69 299.05,97.69 ; LED15.3 304.39,99.65 v1(304.48,99.55) ; v1(271.25,80.65) 267.45,80.65 LED28.3 267.42,79.76 266.31,78.64 C28.2 ; LED47.3 21.98,44.04 v1(7.18,44.04) ; LED62.3 v1(7.17,24.95) ; v1(69.47,41.16) 70.58,42.27 LED49.3 ; v1(69.47,41.16) 59.28,41.16 LED48.3 57.94,41.68 56.8,40.54 C48.2 ; v1(69.47,41.16) 68.73,41.16 65.72,38.15 65.72,37.39 65.77,37.35 65.77,31.21 61.42,26.86 58.78,26.86 57.03,28.61 ULED6.3 58.61,30.2 C78.2 ; v1(98.83,86.69) 98.83,88.56 ULED9.3 97.11,90 ; v1(284.93,29.54) 292.67,29.54 v1(294.78,31.65) C75.2 ; v1(262.73,96.84) 255.77,96.84 LED12.3 252.94,98.78 251.86,97.69 C12.2 ; 278.1,57.95 278.12,57.92 ; 278.12,57.92 278.86,57.92 v1(279.98,59.04) 288.28,59.04 288.82,58.51 300.64,58.51 301.22,57.92 301.79,57.92 ; 150.96,63.22 154.49,63.22 154.56,63.14 157.83,63.14 C11.2 159.51,64.23 v1(160.16,63.58) 160.39,63.35 160.87,63.35 161.87,62.35 161.87,61.41 161.8,61.35 Y1.2 ; 150.96,63.22 147.99,66.18 147.99,67.32 147.85,67.18 147.85,66.25 146.41,64.82 141.32,64.82 v1(139.96,66.17) ; 150.96,63.22 150.96,58.54 151.08,58.42 ; C44.2 273.09,59.59 274.14,60.65 LED44.3 ; ULED5.3 155.47,8.56 156.58,7.45 156.58,6.69 v1(155.13,5.23) C77.2 ; v1(139.08,79.43) 139.89,78.61 v1(139.89,73.83) ; C16.2 139.91,71.37 v1(139.89,71.38) 139.89,70.43 v1(141.1,69.22) ; C4.2 82.82,95.41 84.06,96.65 LED4.3 86.25,94.88 93.29,94.88 v1(93.35,94.94) 94.46,96.05 LED5.3 ; LED3.3 55.38,102.65 v1(54.73,102) 51.12,98.39 48.02,98.39 46.75,99.66 LED2.3 43.78,98.81 42.64,97.67 C2.2 ; LED59.3 284.64,43.98 282.2,41.54 v1(280.81,41.54) ; J1.B1A12 158.21,112.83 J1.S1 161.16,114.41 161.5,114.07 R3.1 161.52,110.26 v1(161.52,106.49) ; LED55.3 200.3,38.13 v1(198.7,36.52) ; 226.48,92.75 222.98,96.25 v1(219.28,96.25) LED10.3 212.92,95.24 C10.2 ; 226.48,92.75 229.23,92.75 230.48,91.49 ; 226.48,92.75 226.54,92.75 ; v1(120.99,112.15) 123.48,112.15 ULED10.3 ; v1(276.01,93.19) 274.45,94.75 262.54,94.75 260.07,92.29 256.82,92.29 255.57,91.03 v1(255.57,88.03) 255.81,88.03 ; v1(99.64,63.17) 99.64,65.33 100.96,66.66 108.1,66.66 v1(108.53,66.23) ; v1(230.59,40.77) 230.61,40.79 230.61,40.83 LED56.3 227.6,39.77 C56.2 ; LED51.3 107.95,35.66 106.08,33.79 v1(104.08,33.79) ; LED23.3 164.02,69.6 v1(161.48,69.6) ; C52.2 128.46,28.71 133.91,28.71 134.92,29.72 LED52.3 135.72,29.28 v1(138.75,29.28) ; v1(238.31,43.95) 238.38,44.01 LED57.3 ; C60.2 323.51,35.79 324.57,36.84 LED60.3 326.61,37.73 328.59,35.76 v1(333.25,35.76) 341.78,35.76 ; v1(295.72,34.81) 295.58,34.95 ULED3.3 ; LED64.3 72.74,22.26 v1(72.58,22.11) 71.4,20.92 47.4,20.92 44.87,23.45 LED63.3 41.11,22.61 40.04,21.53 C63.2 ; C50.2 96.41,34.96 97.65,36.2 LED50.3 98.61,36.62 v1(99.74,35.48) ; v1(146.96,34.27) 148.96,32.27 v1(153.36,32.27) 151.13,34.49 SW1.1 151.4,34.84 ; v1(206.64,56.29) 206.26,56.29 v1(205.06,57.49) 206.08,58.51 LED41.3 ; v1(345.75,18.68) 345.74,18.69 LED72.3 343.72,17.76 342.62,16.66 C72.2 ; 274.25,61.66 LED44.3 ; LED44.3 277.47,61.55 v1(278.1,60.93) ; C34.2 50.2,59.63 51.27,60.71 LED34.3 52.63,60.19 v1(60.21,60.19) 62.8,62.78 LED35.3 ; LED27.3 238.6,82.12 v1(238.55,82.17) 236.28,79.9 232.04,79.9 231.33,79.19 LED26.3 225.68,78.1 C26.2 ; v1(194.76,87.02) 191.61,87.02 189.67,88.96 v1(184.09,88.96) ; v1(278.87,81.71) 279.27,82.11 LED29.3 ; v1(111.89,16.64) 112.88,15.66 LED65.3 ; LED33.3 v1(7.18,62.99) ; v1(61.03,81.22) 62.07,82.27 LED19.3 ; v1(61.03,81.22) 60.77,80.97 ; v1(181.68,101.66) 188.63,108.61 ULED11.3 ; ULED8.3 55.38,94.16 56.28,93.26 v1(61.03,93.26) ; v1(149.29,72.9) 148.28,71.89 C1.2 ; LED37.3 105.2,55.75 102.8,55.75 102.24,55.19 v1(99.64,55.19) 94.75,55.19 92.87,57.06 LED36.3 91.55,56.65 90.31,55.41 C36.2 ; SW4.C 345.96,52.49 344.78,51.3 334.47,51.3 v1(333.25,52.52) ; 151.08,58.42 143.09,58.42 ; v1(262.9,116.2) 265.69,116.2 ULED13.3 ; 301.79,57.92 301.82,57.92 C45.2 303.99,59.6 305.08,60.69 LED45.3 309.53,61.57 v1(309.57,61.6) 305.89,57.92 301.79,57.92 ; SW2.C 336.44,95.43 337.68,94.18 345.07,94.18 349.72,98.83 ULED1.3 349.74,110.57 C73.2 ; C42.2 233.62,60.16 LED42.3 234.23,61.85 v1(237.68,61.85) ; 341.78,35.76 343.72,37.69 ULED2.3 345.41,40.48 C74.2 ; 341.78,35.76 v1(348.87,35.76) ; LED1.3 19.59,101.14 v1(7.48,101.14) 7.48,102.82 4.78,105.52 ULED7.3 6.35,107.48 C79.2 ; 230.48,91.49 230.48,88.81 v1(232.73,86.56) ; 230.48,91.49 ULED12.3 ; U2.2 153.08,106.5 v1(151.59,106.5) 150.7,106.5 R2.1 146.93,112.7 J1.S1 150.22,112.83 J1.A1B12 ; v1(190.95,73.22) 190.3,72.58 LED24.3 188.25,71.53 C24.2 ; LED9.3 184.86,93.56 183.07,91.78 183.07,90.37 182.36,89.66 v1(178.81,89.66) 178.8,89.65 LED8.3 175.38,88.61 C8.2 ; 106.96,68.84 118.11,68.84 122.09,64.87 v1(129.76,64.87) 130.29,65.39 135.82,65.39 138.6,62.61 C13.2 138.6,55.67 v1(138.59,55.65) v1(140.08,54.17) ; 106.96,68.84 106.96,69.43 v1(106.9,69.48) ; C76.2 236.65,31.1 ULED4.3 232.19,32.84 v1(232.19,32.84) ; LED7.3 130.78,89.45 v1(130.75,89.42) 129.71,90.46 v1(129.71,102.84) ; v1(195.46,15.18) 195.29,15.02 LED66.3 190.99,13.97 C66.2 ; LED43.3 v1(243.16,63.08) ; v1(313.05,80.59) 313.04,80.6 LED30.3 310.38,79.77 C30.2 ; C38.2 127.78,48.8 129.02,50.04 LED38.3 132.35,47.06 138.56,47.06 v1(140.91,49.41) 143.36,51.86 R6.1 ; 158.13,61.34 160.63,61.34 ; C67.2 223.85,19.79 LED67.3 241.54,20.81 v1(244.47,23.73) 245.71,24.98 LED68.3 ; v1(319.7,88.66) 320.71,89.67 ULED14.3 ; LED53.3 165.88,31.12 v1(163.52,31.12) ; LED70.3 286.6,20.18 v1(283.34,23.44) 283.32,23.46 LED69.3 279.36,22.56 278.27,21.47 C69.2 ; LED11.3 223.99,100.16 v1(223.41,99.59) ; C22.2 126.25,68.43 127.43,69.6 LED22.3 127.81,69.64 v1(129.56,69.64) ; LED21.3 100.81,75.67 v1(99.64,74.49) 99.2,74.06 92.6,74.06 LED20.3 89.97,76.27 88.72,75.03 C20.2 ; v1(270.04,41.46) 269.95,41.54 269.87,41.54 268.89,42.52 LED58.3 267.55,41.61 266.49,40.55 C58.2 ; C6.2 120.22,88.81 121.46,90.05 LED6.3 122.32,89.61 v1(124.84,89.61) ; v1(262.73,101.11) 267.15,101.11 LED13.3
